# KiCad board rp2040-decoder.kicad_pcb
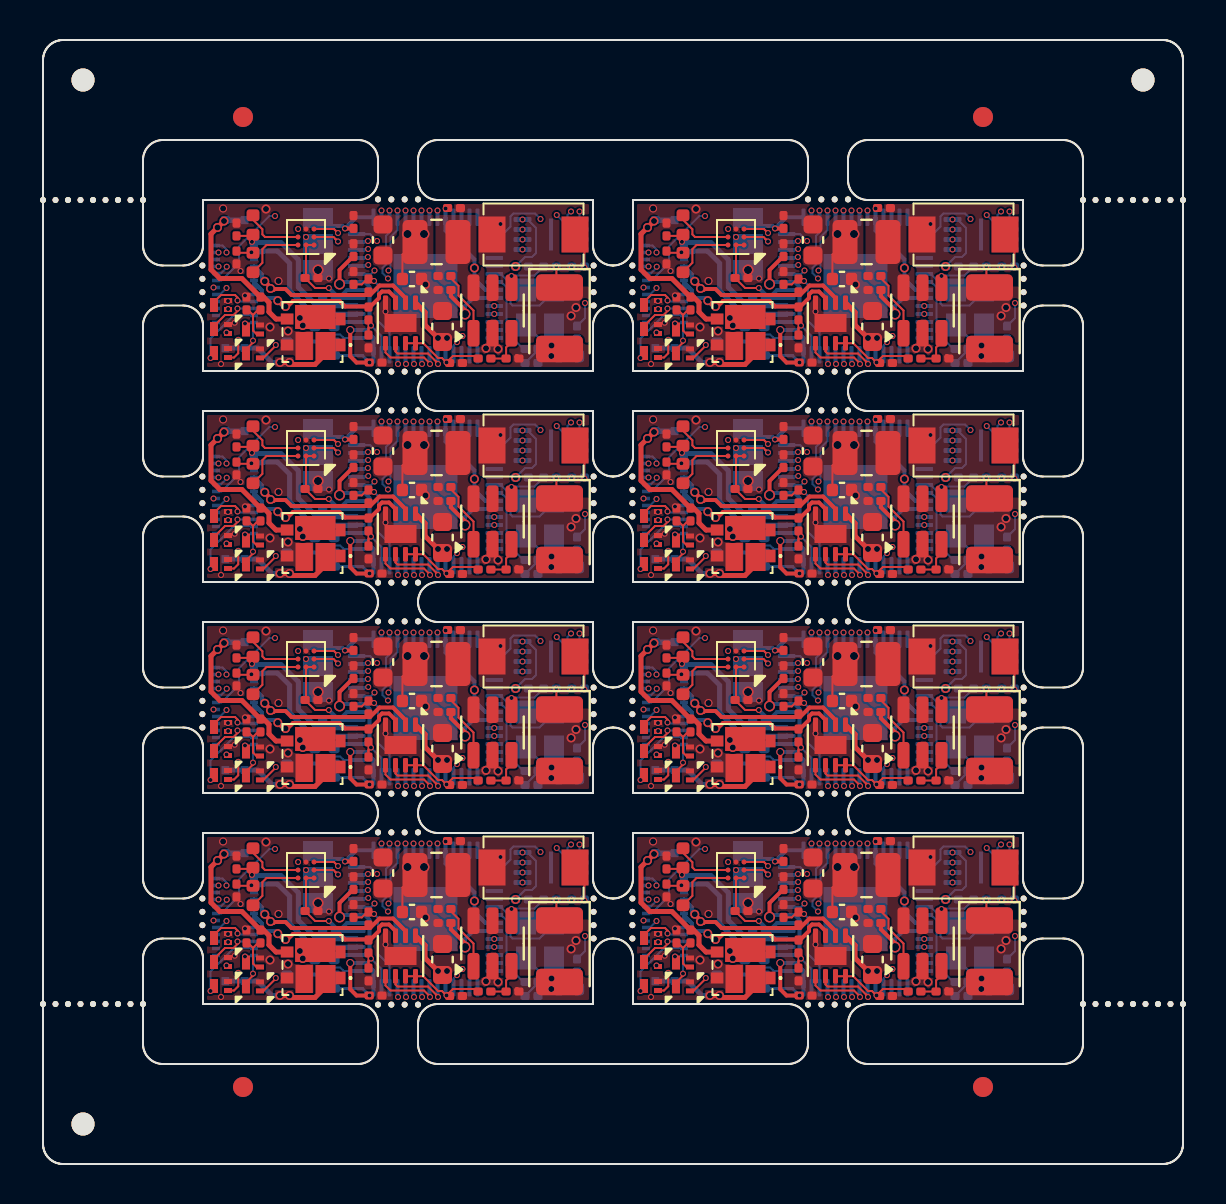
[diagram p0: board, top side]
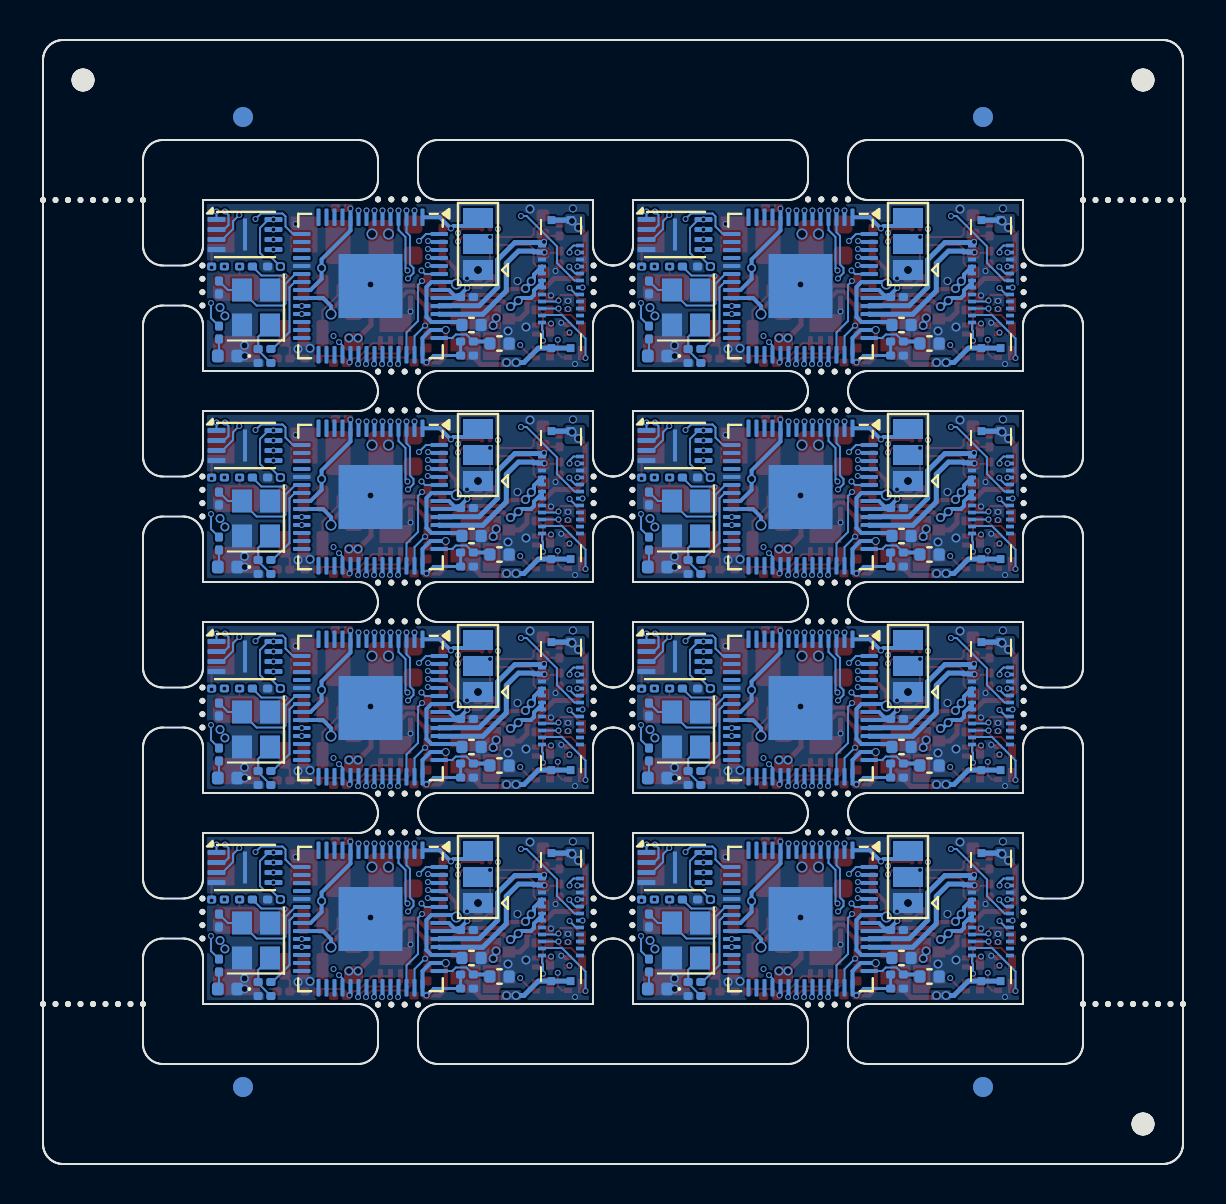
[diagram p1: board, bottom side, seen from below]

Outline 57 x 56.2 mm; copper layers: Top, In1.Cu, In2.Cu, Bottom. Coordinates in mm from the lower left corner of the outline.
Stack: Top 0.035mm / dielectric 0.2104mm JLC FR4 1x7628 er 4.4 / In1.Cu 0.0152mm / dielectric 1.065mm JLC Core er 4.6 / In2.Cu 0.0152mm / dielectric 0.2104mm JLC FR4 1x7628 er 4.4 / Bottom 0.035mm

## Placement (name value [footprint] x y rotation side)
C1  10pF  [C_0201_0603Metric]  26.7 12.17 270 bottom
C1#2  10pF  [C_0201_0603Metric]  48.2 43.83 270 bottom
C1#3  10pF  [C_0201_0603Metric]  48.2 33.28 270 bottom
C1#4  10pF  [C_0201_0603Metric]  26.7 22.73 270 bottom
C1#5  10pF  [C_0201_0603Metric]  48.2 12.17 270 bottom
C1#6  10pF  [C_0201_0603Metric]  48.2 22.73 270 bottom
C1#7  10pF  [C_0201_0603Metric]  26.7 33.28 270 bottom
C1#8  10pF  [C_0201_0603Metric]  26.7 43.83 270 bottom
C2  100nF  [C_0201_0603Metric]  45.45 44.88 0 bottom
C2#2  100nF  [C_0201_0603Metric]  23.95 34.33 0 bottom
C2#3  100nF  [C_0201_0603Metric]  23.95 23.78 0 bottom
C2#4  100nF  [C_0201_0603Metric]  45.45 23.78 0 bottom
C2#5  100nF  [C_0201_0603Metric]  45.45 34.33 0 bottom
C2#6  100nF  [C_0201_0603Metric]  23.95 44.88 0 bottom
C2#7  100nF  [C_0201_0603Metric]  23.95 13.23 0 bottom
C2#8  100nF  [C_0201_0603Metric]  45.45 13.23 0 bottom
C3  10pF  [C_0201_0603Metric]  24.43 40.05 0 bottom
C3#2  10pF  [C_0201_0603Metric]  24.43 29.5 0 bottom
C3#3  10pF  [C_0201_0603Metric]  24.43 8.4 0 bottom
C3#4  10pF  [C_0201_0603Metric]  45.93 8.4 0 bottom
C3#5  10pF  [C_0201_0603Metric]  45.93 40.05 0 bottom
C3#6  10pF  [C_0201_0603Metric]  45.93 29.5 0 bottom
C3#7  10pF  [C_0201_0603Metric]  45.93 18.95 0 bottom
C3#8  10pF  [C_0201_0603Metric]  24.43 18.95 0 bottom
C4  22uF  [CP_EIA-3528-21_Kemet-B]  25.82 31.74 270 top
C4#2  22uF  [CP_EIA-3528-21_Kemet-B]  47.32 21.19 270 top
C4#3  22uF  [CP_EIA-3528-21_Kemet-B]  47.32 10.64 270 top
C4#4  22uF  [CP_EIA-3528-21_Kemet-B]  47.32 31.74 270 top
C4#5  22uF  [CP_EIA-3528-21_Kemet-B]  25.82 42.29 270 top
C4#6  22uF  [CP_EIA-3528-21_Kemet-B]  25.82 21.19 270 top
C4#7  22uF  [CP_EIA-3528-21_Kemet-B]  25.82 10.64 270 top
C4#8  22uF  [CP_EIA-3528-21_Kemet-B]  47.32 42.29 270 top
C5  100nF  [C_0201_0603Metric]  37.03 35.15 90 top
C5#2  100nF  [C_0201_0603Metric]  15.53 24.6 90 top
C5#3  100nF  [C_0201_0603Metric]  15.53 35.15 90 top
C5#4  100nF  [C_0201_0603Metric]  15.53 45.7 90 top
C5#5  100nF  [C_0201_0603Metric]  37.03 14.05 90 top
C5#6  100nF  [C_0201_0603Metric]  37.03 24.6 90 top
C5#7  100nF  [C_0201_0603Metric]  37.03 45.7 90 top
C5#8  100nF  [C_0201_0603Metric]  15.53 14.05 90 top
C6  22nF  [C_0201_0603Metric]  41.57 23.3 180 top
C6#2  22nF  [C_0201_0603Metric]  20.07 12.75 180 top
C6#3  22nF  [C_0201_0603Metric]  41.57 33.85 180 top
C6#4  22nF  [C_0201_0603Metric]  20.07 23.3 180 top
C6#5  22nF  [C_0201_0603Metric]  41.57 44.4 180 top
C6#6  22nF  [C_0201_0603Metric]  41.57 12.75 180 top
C6#7  22nF  [C_0201_0603Metric]  20.07 33.85 180 top
C6#8  22nF  [C_0201_0603Metric]  20.07 44.4 180 top
C7  100nF  [C_0201_0603Metric]  41.57 22.6 180 top
C7#2  100nF  [C_0201_0603Metric]  41.57 12.05 180 top
C7#3  100nF  [C_0201_0603Metric]  41.57 43.7 180 top
C7#4  100nF  [C_0201_0603Metric]  20.07 12.05 180 top
C7#5  100nF  [C_0201_0603Metric]  41.57 33.15 180 top
C7#6  100nF  [C_0201_0603Metric]  20.07 33.15 180 top
C7#7  100nF  [C_0201_0603Metric]  20.07 22.6 180 top
C7#8  100nF  [C_0201_0603Metric]  20.07 43.7 180 top
C8  10uF  [C_0402_1005Metric]  14.07 41.95 180 bottom
C8#2  10uF  [C_0402_1005Metric]  14.07 20.85 180 bottom
C8#3  10uF  [C_0402_1005Metric]  35.57 20.85 180 bottom
C8#4  10uF  [C_0402_1005Metric]  35.57 31.4 180 bottom
C8#5  10uF  [C_0402_1005Metric]  35.57 10.3 180 bottom
C8#6  10uF  [C_0402_1005Metric]  14.07 10.3 180 bottom
C8#7  10uF  [C_0402_1005Metric]  35.57 41.95 180 bottom
C8#8  10uF  [C_0402_1005Metric]  14.07 31.4 180 bottom
C9  22uF  [C_0603_1608Metric]  38.5 14.55 90 top
C9#2  22uF  [C_0603_1608Metric]  38.5 46.2 90 top
C9#3  22uF  [C_0603_1608Metric]  17 35.65 90 top
C9#4  22uF  [C_0603_1608Metric]  17 25.1 90 top
C9#5  22uF  [C_0603_1608Metric]  38.5 25.1 90 top
C9#6  22uF  [C_0603_1608Metric]  17 14.55 90 top
C9#7  22uF  [C_0603_1608Metric]  38.5 35.65 90 top
C9#8  22uF  [C_0603_1608Metric]  17 46.2 90 top
C10  10uF  [C_0402_1005Metric]  18.45 23.15 0 top
C10#2  10uF  [C_0402_1005Metric]  39.95 44.25 0 top
C10#3  10uF  [C_0402_1005Metric]  39.95 23.15 0 top
C10#4  10uF  [C_0402_1005Metric]  18.45 44.25 0 top
C10#5  10uF  [C_0402_1005Metric]  39.95 33.7 0 top
C10#6  10uF  [C_0402_1005Metric]  18.45 33.7 0 top
C10#7  10uF  [C_0402_1005Metric]  18.45 12.6 0 top
C10#8  10uF  [C_0402_1005Metric]  39.95 12.6 0 top
C11  100nF  [C_0201_0603Metric]  35.8 19.33 180 bottom
C11#2  100nF  [C_0201_0603Metric]  35.8 8.78 180 bottom
C11#3  100nF  [C_0201_0603Metric]  14.3 19.33 180 bottom
C11#4  100nF  [C_0201_0603Metric]  14.3 8.78 180 bottom
C11#5  100nF  [C_0201_0603Metric]  35.8 29.88 180 bottom
C11#6  100nF  [C_0201_0603Metric]  14.3 29.88 180 bottom
C11#7  100nF  [C_0201_0603Metric]  35.8 40.43 180 bottom
C11#8  100nF  [C_0201_0603Metric]  14.3 40.43 180 bottom
C12  100nF  [C_0201_0603Metric]  35.8 22.25 180 bottom
C12#2  100nF  [C_0201_0603Metric]  35.8 11.7 180 bottom
C12#3  100nF  [C_0201_0603Metric]  35.8 43.35 180 bottom
C12#4  100nF  [C_0201_0603Metric]  14.3 22.25 180 bottom
C12#5  100nF  [C_0201_0603Metric]  14.3 43.35 180 bottom
C12#6  100nF  [C_0201_0603Metric]  35.8 32.8 180 bottom
C12#7  100nF  [C_0201_0603Metric]  14.3 11.7 180 bottom
C12#8  100nF  [C_0201_0603Metric]  14.3 32.8 180 bottom
C13  100nF  [C_0201_0603Metric]  16.63 18.98 0 top
C13#2  100nF  [C_0201_0603Metric]  38.13 29.53 0 top
C13#3  100nF  [C_0201_0603Metric]  16.63 8.42 0 top
C13#4  100nF  [C_0201_0603Metric]  16.63 29.53 0 top
C13#5  100nF  [C_0201_0603Metric]  38.13 8.42 0 top
C13#6  100nF  [C_0201_0603Metric]  38.13 40.08 0 top
C13#7  100nF  [C_0201_0603Metric]  16.63 40.08 0 top
C13#8  100nF  [C_0201_0603Metric]  38.13 18.98 0 top
C14  10uF  [C_0402_1005Metric]  12.68 30.48 180 bottom
C14#2  10uF  [C_0402_1005Metric]  34.18 41.03 180 bottom
C14#3  10uF  [C_0402_1005Metric]  34.18 30.48 180 bottom
C14#4  10uF  [C_0402_1005Metric]  34.18 19.93 180 bottom
C14#5  10uF  [C_0402_1005Metric]  12.68 41.03 180 bottom
C14#6  10uF  [C_0402_1005Metric]  12.68 9.38 180 bottom
C14#7  10uF  [C_0402_1005Metric]  12.68 19.93 180 bottom
C14#8  10uF  [C_0402_1005Metric]  34.18 9.38 180 bottom
C16  100nF  [C_0201_0603Metric]  42.05 26.7 0 top
C16#2  100nF  [C_0201_0603Metric]  20.55 37.25 0 top
C16#3  100nF  [C_0201_0603Metric]  20.55 26.7 0 top
C16#4  100nF  [C_0201_0603Metric]  20.55 16.15 0 top
C16#5  100nF  [C_0201_0603Metric]  42.05 47.8 0 top
C16#6  100nF  [C_0201_0603Metric]  42.05 16.15 0 top
C16#7  100nF  [C_0201_0603Metric]  20.55 47.8 0 top
C16#8  100nF  [C_0201_0603Metric]  42.05 37.25 0 top
C17  100nF  [C_0201_0603Metric]  37.03 47.1 90 top
C17#2  100nF  [C_0201_0603Metric]  15.53 26 90 top
C17#3  100nF  [C_0201_0603Metric]  15.53 15.45 90 top
C17#4  100nF  [C_0201_0603Metric]  37.03 36.55 90 top
C17#5  100nF  [C_0201_0603Metric]  37.03 26 90 top
C17#6  100nF  [C_0201_0603Metric]  37.03 15.45 90 top
C17#7  100nF  [C_0201_0603Metric]  15.53 36.55 90 top
C17#8  100nF  [C_0201_0603Metric]  15.53 47.1 90 top
C18  10uF  [C_0603_1608Metric]  41.47 10.23 90 top
C18#2  10uF  [C_0603_1608Metric]  19.97 31.33 90 top
C18#3  10uF  [C_0603_1608Metric]  41.47 20.78 90 top
C18#4  10uF  [C_0603_1608Metric]  19.97 41.88 90 top
C18#5  10uF  [C_0603_1608Metric]  19.97 20.78 90 top
C18#6  10uF  [C_0603_1608Metric]  41.47 31.33 90 top
C18#7  10uF  [C_0603_1608Metric]  19.97 10.23 90 top
C18#8  10uF  [C_0603_1608Metric]  41.47 41.88 90 top
C19  100nF  [C_0201_0603Metric]  20.65 18.95 0 top
C19#2  100nF  [C_0201_0603Metric]  20.65 8.4 0 top
C19#3  100nF  [C_0201_0603Metric]  42.15 8.4 0 top
C19#4  100nF  [C_0201_0603Metric]  42.15 29.5 0 top
C19#5  100nF  [C_0201_0603Metric]  20.65 40.05 0 top
C19#6  100nF  [C_0201_0603Metric]  42.15 40.05 0 top
C19#7  100nF  [C_0201_0603Metric]  42.15 18.95 0 top
C19#8  100nF  [C_0201_0603Metric]  20.65 29.5 0 top
C20  220pF  [C_0201_0603Metric]  9.68 36.18 90 top
C20#2  220pF  [C_0201_0603Metric]  9.68 25.62 90 top
C20#3  220pF  [C_0201_0603Metric]  31.18 46.73 90 top
C20#4  220pF  [C_0201_0603Metric]  9.68 15.08 90 top
C20#5  220pF  [C_0201_0603Metric]  9.68 46.73 90 top
C20#6  220pF  [C_0201_0603Metric]  31.18 25.62 90 top
C20#7  220pF  [C_0201_0603Metric]  31.18 36.18 90 top
C20#8  220pF  [C_0201_0603Metric]  31.18 15.08 90 top
C21  100nF  [C_0201_0603Metric]  34.93 33.75 0 top
C21#2  100nF  [C_0201_0603Metric]  13.43 44.3 0 top
C21#3  100nF  [C_0201_0603Metric]  34.93 12.65 0 top
C21#4  100nF  [C_0201_0603Metric]  13.43 12.65 0 top
C21#5  100nF  [C_0201_0603Metric]  13.43 33.75 0 top
C21#6  100nF  [C_0201_0603Metric]  34.93 44.3 0 top
C21#7  100nF  [C_0201_0603Metric]  13.43 23.2 0 top
C21#8  100nF  [C_0201_0603Metric]  34.93 23.2 0 top
C22  220pF  [C_0201_0603Metric]  9.68 45.33 270 top
C22#2  220pF  [C_0201_0603Metric]  31.18 13.68 270 top
C22#3  220pF  [C_0201_0603Metric]  9.68 34.78 270 top
C22#4  220pF  [C_0201_0603Metric]  9.68 13.68 270 top
C22#5  220pF  [C_0201_0603Metric]  31.18 45.33 270 top
C22#6  220pF  [C_0201_0603Metric]  31.18 24.23 270 top
C22#7  220pF  [C_0201_0603Metric]  9.68 24.23 270 top
C22#8  220pF  [C_0201_0603Metric]  31.18 34.78 270 top
D1  -  [NSR1030QMU]  13.47 20.5 90 top
D1#2  -  [NSR1030QMU]  13.47 9.95 90 top
D1#3  -  [NSR1030QMU]  34.97 41.6 90 top
D1#4  -  [NSR1030QMU]  34.97 31.05 90 top
D1#5  -  [NSR1030QMU]  13.47 31.05 90 top
D1#6  -  [NSR1030QMU]  34.97 9.95 90 top
D1#7  -  [NSR1030QMU]  13.47 41.6 90 top
D1#8  -  [NSR1030QMU]  34.97 20.5 90 top
D2  Blue LED  [LED_0402_1005Metric]  26.28 29.85 0 bottom
D2#2  Blue LED  [LED_0402_1005Metric]  47.78 40.4 0 bottom
D2#3  Blue LED  [LED_0402_1005Metric]  26.28 19.3 0 bottom
D2#4  Blue LED  [LED_0402_1005Metric]  47.78 19.3 0 bottom
D2#5  Blue LED  [LED_0402_1005Metric]  26.28 40.4 0 bottom
D2#6  Blue LED  [LED_0402_1005Metric]  47.78 29.85 0 bottom
D2#7  Blue LED  [LED_0402_1005Metric]  47.78 8.75 0 bottom
D2#8  Blue LED  [LED_0402_1005Metric]  26.28 8.75 0 bottom
FB1  FB_P  [L_0402_1005Metric]  32 34.53 270 top
FB1#2  FB_P  [L_0402_1005Metric]  10.5 45.08 270 top
FB1#3  FB_P  [L_0402_1005Metric]  10.5 34.53 270 top
FB1#4  FB_P  [L_0402_1005Metric]  32 45.08 270 top
FB1#5  FB_P  [L_0402_1005Metric]  32 23.98 270 top
FB1#6  FB_P  [L_0402_1005Metric]  10.5 23.98 270 top
FB1#7  FB_P  [L_0402_1005Metric]  32 13.43 270 top
FB1#8  FB_P  [L_0402_1005Metric]  10.5 13.43 270 top
FB2  FB_N  [L_0402_1005Metric]  32 25.85 90 top
FB2#2  FB_N  [L_0402_1005Metric]  10.5 25.85 90 top
FB2#3  FB_N  [L_0402_1005Metric]  32 36.4 90 top
FB2#4  FB_N  [L_0402_1005Metric]  32 46.95 90 top
FB2#5  FB_N  [L_0402_1005Metric]  32 15.3 90 top
FB2#6  FB_N  [L_0402_1005Metric]  10.5 36.4 90 top
FB2#7  FB_N  [L_0402_1005Metric]  10.5 15.3 90 top
FB2#8  FB_N  [L_0402_1005Metric]  10.5 46.95 90 top
J4  -  [5050662422]  9.6 22.9 270 bottom
J4#2  -  [5050662422]  31.1 22.9 270 bottom
J4#3  -  [5050662422]  31.1 33.45 270 bottom
J4#4  -  [5050662422]  31.1 12.35 270 bottom
J4#5  -  [5050662422]  31.1 44 270 bottom
J4#6  -  [5050662422]  9.6 44 270 bottom
J4#7  -  [5050662422]  9.6 33.45 270 bottom
J4#8  -  [5050662422]  9.6 12.35 270 bottom
JP1  GAIN  [SolderJumper-3_P1.3mm_Open_Pad1.0x1.5mm]  35.25 46 90 bottom
JP1#2  GAIN  [SolderJumper-3_P1.3mm_Open_Pad1.0x1.5mm]  13.75 24.9 90 bottom
JP1#3  GAIN  [SolderJumper-3_P1.3mm_Open_Pad1.0x1.5mm]  35.25 35.45 90 bottom
JP1#4  GAIN  [SolderJumper-3_P1.3mm_Open_Pad1.0x1.5mm]  13.75 35.45 90 bottom
JP1#5  GAIN  [SolderJumper-3_P1.3mm_Open_Pad1.0x1.5mm]  35.25 24.9 90 bottom
JP1#6  GAIN  [SolderJumper-3_P1.3mm_Open_Pad1.0x1.5mm]  13.75 14.35 90 bottom
JP1#7  GAIN  [SolderJumper-3_P1.3mm_Open_Pad1.0x1.5mm]  13.75 46 90 bottom
JP1#8  GAIN  [SolderJumper-3_P1.3mm_Open_Pad1.0x1.5mm]  35.25 14.35 90 bottom
KiKit_FID_B_1  -  [Fiducial]  10 52.35 0 bottom
KiKit_FID_B_2  -  [Fiducial]  47 52.35 0 bottom
KiKit_FID_B_3  -  [Fiducial]  10 3.85 0 bottom
KiKit_FID_B_4  -  [Fiducial]  47 3.85 0 bottom
KiKit_FID_T_1  -  [Fiducial]  10 52.35 0 top
KiKit_FID_T_2  -  [Fiducial]  47 52.35 0 top
KiKit_FID_T_3  -  [Fiducial]  10 3.85 0 top
KiKit_FID_T_4  -  [Fiducial]  47 3.85 0 top
KiKit_MB_1_1  -  [NPTH]  7.97 42.93 0 top
KiKit_MB_1_2  -  [NPTH]  7.97 43.59 0 top
KiKit_MB_1_3  -  [NPTH]  7.97 44.26 0 top
KiKit_MB_1_4  -  [NPTH]  7.97 44.93 0 top
KiKit_MB_2_1  -  [NPTH]  27.53 44.93 0 top
KiKit_MB_2_2  -  [NPTH]  27.53 44.26 0 top
KiKit_MB_2_3  -  [NPTH]  27.53 43.59 0 top
KiKit_MB_2_4  -  [NPTH]  27.53 42.93 0 top
KiKit_MB_3_1  -  [NPTH]  16.75 48.23 0 top
KiKit_MB_3_2  -  [NPTH]  17.42 48.23 0 top
KiKit_MB_3_3  -  [NPTH]  18.08 48.23 0 top
KiKit_MB_3_4  -  [NPTH]  18.75 48.23 0 top
KiKit_MB_4_1  -  [NPTH]  18.75 39.62 0 top
KiKit_MB_4_2  -  [NPTH]  18.08 39.62 0 top
KiKit_MB_4_3  -  [NPTH]  17.42 39.62 0 top
KiKit_MB_4_4  -  [NPTH]  16.75 39.62 0 top
KiKit_MB_5_1  -  [NPTH]  29.47 42.93 0 top
KiKit_MB_5_2  -  [NPTH]  29.47 43.59 0 top
KiKit_MB_5_3  -  [NPTH]  29.47 44.26 0 top
KiKit_MB_5_4  -  [NPTH]  29.47 44.93 0 top
KiKit_MB_6_1  -  [NPTH]  49.03 44.93 0 top
KiKit_MB_6_2  -  [NPTH]  49.03 44.26 0 top
KiKit_MB_6_3  -  [NPTH]  49.03 43.59 0 top
KiKit_MB_6_4  -  [NPTH]  49.03 42.93 0 top
KiKit_MB_7_1  -  [NPTH]  38.25 48.23 0 top
KiKit_MB_7_2  -  [NPTH]  38.92 48.23 0 top
KiKit_MB_7_3  -  [NPTH]  39.58 48.23 0 top
KiKit_MB_7_4  -  [NPTH]  40.25 48.23 0 top
KiKit_MB_8_1  -  [NPTH]  40.25 39.62 0 top
KiKit_MB_8_2  -  [NPTH]  39.58 39.62 0 top
KiKit_MB_8_3  -  [NPTH]  38.92 39.62 0 top
KiKit_MB_8_4  -  [NPTH]  38.25 39.62 0 top
KiKit_MB_9_1  -  [NPTH]  7.97 32.38 0 top
KiKit_MB_9_2  -  [NPTH]  7.97 33.04 0 top
KiKit_MB_9_3  -  [NPTH]  7.97 33.71 0 top
KiKit_MB_9_4  -  [NPTH]  7.97 34.38 0 top
KiKit_MB_10_1  -  [NPTH]  27.53 34.38 0 top
KiKit_MB_10_2  -  [NPTH]  27.53 33.71 0 top
KiKit_MB_10_3  -  [NPTH]  27.53 33.04 0 top
KiKit_MB_10_4  -  [NPTH]  27.53 32.38 0 top
KiKit_MB_11_1  -  [NPTH]  16.75 37.68 0 top
KiKit_MB_11_2  -  [NPTH]  17.42 37.68 0 top
KiKit_MB_11_3  -  [NPTH]  18.08 37.68 0 top
KiKit_MB_11_4  -  [NPTH]  18.75 37.68 0 top
KiKit_MB_12_1  -  [NPTH]  18.75 29.07 0 top
KiKit_MB_12_2  -  [NPTH]  18.08 29.07 0 top
KiKit_MB_12_3  -  [NPTH]  17.42 29.07 0 top
KiKit_MB_12_4  -  [NPTH]  16.75 29.07 0 top
KiKit_MB_13_1  -  [NPTH]  29.47 32.38 0 top
KiKit_MB_13_2  -  [NPTH]  29.47 33.04 0 top
KiKit_MB_13_3  -  [NPTH]  29.47 33.71 0 top
KiKit_MB_13_4  -  [NPTH]  29.47 34.38 0 top
KiKit_MB_14_1  -  [NPTH]  49.03 34.38 0 top
KiKit_MB_14_2  -  [NPTH]  49.03 33.71 0 top
KiKit_MB_14_3  -  [NPTH]  49.03 33.04 0 top
KiKit_MB_14_4  -  [NPTH]  49.03 32.38 0 top
KiKit_MB_15_1  -  [NPTH]  38.25 37.68 0 top
KiKit_MB_15_2  -  [NPTH]  38.92 37.68 0 top
KiKit_MB_15_3  -  [NPTH]  39.58 37.68 0 top
KiKit_MB_15_4  -  [NPTH]  40.25 37.68 0 top
KiKit_MB_16_1  -  [NPTH]  40.25 29.07 0 top
KiKit_MB_16_2  -  [NPTH]  39.58 29.07 0 top
KiKit_MB_16_3  -  [NPTH]  38.92 29.07 0 top
KiKit_MB_16_4  -  [NPTH]  38.25 29.07 0 top
KiKit_MB_17_1  -  [NPTH]  7.97 21.83 0 top
KiKit_MB_17_2  -  [NPTH]  7.97 22.49 0 top
KiKit_MB_17_3  -  [NPTH]  7.97 23.16 0 top
KiKit_MB_17_4  -  [NPTH]  7.97 23.83 0 top
KiKit_MB_18_1  -  [NPTH]  27.53 23.83 0 top
KiKit_MB_18_2  -  [NPTH]  27.53 23.16 0 top
KiKit_MB_18_3  -  [NPTH]  27.53 22.49 0 top
KiKit_MB_18_4  -  [NPTH]  27.53 21.83 0 top
KiKit_MB_19_1  -  [NPTH]  16.75 27.13 0 top
KiKit_MB_19_2  -  [NPTH]  17.42 27.13 0 top
KiKit_MB_19_3  -  [NPTH]  18.08 27.13 0 top
KiKit_MB_19_4  -  [NPTH]  18.75 27.13 0 top
KiKit_MB_20_1  -  [NPTH]  18.75 18.52 0 top
KiKit_MB_20_2  -  [NPTH]  18.08 18.52 0 top
KiKit_MB_20_3  -  [NPTH]  17.42 18.52 0 top
KiKit_MB_20_4  -  [NPTH]  16.75 18.52 0 top
KiKit_MB_21_1  -  [NPTH]  29.47 21.83 0 top
KiKit_MB_21_2  -  [NPTH]  29.47 22.49 0 top
KiKit_MB_21_3  -  [NPTH]  29.47 23.16 0 top
KiKit_MB_21_4  -  [NPTH]  29.47 23.83 0 top
KiKit_MB_22_1  -  [NPTH]  49.03 23.83 0 top
KiKit_MB_22_2  -  [NPTH]  49.03 23.16 0 top
KiKit_MB_22_3  -  [NPTH]  49.03 22.49 0 top
KiKit_MB_22_4  -  [NPTH]  49.03 21.83 0 top
KiKit_MB_23_1  -  [NPTH]  38.25 27.13 0 top
KiKit_MB_23_2  -  [NPTH]  38.92 27.13 0 top
KiKit_MB_23_3  -  [NPTH]  39.58 27.13 0 top
KiKit_MB_23_4  -  [NPTH]  40.25 27.13 0 top
KiKit_MB_24_1  -  [NPTH]  40.25 18.52 0 top
KiKit_MB_24_2  -  [NPTH]  39.58 18.52 0 top
KiKit_MB_24_3  -  [NPTH]  38.92 18.52 0 top
KiKit_MB_24_4  -  [NPTH]  38.25 18.52 0 top
KiKit_MB_25_1  -  [NPTH]  7.97 11.28 0 top
KiKit_MB_25_2  -  [NPTH]  7.97 11.94 0 top
KiKit_MB_25_3  -  [NPTH]  7.97 12.61 0 top
KiKit_MB_25_4  -  [NPTH]  7.97 13.28 0 top
KiKit_MB_26_1  -  [NPTH]  27.53 13.28 0 top
KiKit_MB_26_2  -  [NPTH]  27.53 12.61 0 top
KiKit_MB_26_3  -  [NPTH]  27.53 11.94 0 top
KiKit_MB_26_4  -  [NPTH]  27.53 11.28 0 top
KiKit_MB_27_1  -  [NPTH]  16.75 16.58 0 top
KiKit_MB_27_2  -  [NPTH]  17.42 16.58 0 top
KiKit_MB_27_3  -  [NPTH]  18.08 16.58 0 top
KiKit_MB_27_4  -  [NPTH]  18.75 16.58 0 top
KiKit_MB_28_1  -  [NPTH]  18.75 7.97 0 top
KiKit_MB_28_2  -  [NPTH]  18.08 7.97 0 top
KiKit_MB_28_3  -  [NPTH]  17.42 7.97 0 top
KiKit_MB_28_4  -  [NPTH]  16.75 7.97 0 top
KiKit_MB_29_1  -  [NPTH]  29.47 11.28 0 top
KiKit_MB_29_2  -  [NPTH]  29.47 11.94 0 top
KiKit_MB_29_3  -  [NPTH]  29.47 12.61 0 top
KiKit_MB_29_4  -  [NPTH]  29.47 13.28 0 top
KiKit_MB_30_1  -  [NPTH]  49.03 13.28 0 top
KiKit_MB_30_2  -  [NPTH]  49.03 12.61 0 top
KiKit_MB_30_3  -  [NPTH]  49.03 11.94 0 top
KiKit_MB_30_4  -  [NPTH]  49.03 11.28 0 top
KiKit_MB_31_1  -  [NPTH]  38.25 16.58 0 top
KiKit_MB_31_2  -  [NPTH]  38.92 16.58 0 top
KiKit_MB_31_3  -  [NPTH]  39.58 16.58 0 top
KiKit_MB_31_4  -  [NPTH]  40.25 16.58 0 top
KiKit_MB_32_1  -  [NPTH]  40.25 7.97 0 top
KiKit_MB_32_2  -  [NPTH]  39.58 7.97 0 top
KiKit_MB_32_3  -  [NPTH]  38.92 7.97 0 top
KiKit_MB_32_4  -  [NPTH]  38.25 7.97 0 top
KiKit_MB_33_1  -  [NPTH]  0 48.2 0 top
KiKit_MB_33_2  -  [NPTH]  0.62 48.2 0 top
KiKit_MB_33_3  -  [NPTH]  1.25 48.2 0 top
KiKit_MB_33_4  -  [NPTH]  1.88 48.2 0 top
KiKit_MB_33_5  -  [NPTH]  2.5 48.2 0 top
KiKit_MB_33_6  -  [NPTH]  3.12 48.2 0 top
KiKit_MB_33_7  -  [NPTH]  3.75 48.2 0 top
KiKit_MB_33_8  -  [NPTH]  4.38 48.2 0 top
KiKit_MB_33_9  -  [NPTH]  5 48.2 0 top
KiKit_MB_34_1  -  [NPTH]  0 8 0 top
KiKit_MB_34_2  -  [NPTH]  0.62 8 0 top
KiKit_MB_34_3  -  [NPTH]  1.25 8 0 top
KiKit_MB_34_4  -  [NPTH]  1.88 8 0 top
KiKit_MB_34_5  -  [NPTH]  2.5 8 0 top
KiKit_MB_34_6  -  [NPTH]  3.12 8 0 top
KiKit_MB_34_7  -  [NPTH]  3.75 8 0 top
KiKit_MB_34_8  -  [NPTH]  4.38 8 0 top
KiKit_MB_34_9  -  [NPTH]  5 8 0 top
KiKit_MB_35_1  -  [NPTH]  52 48.2 0 top
KiKit_MB_35_2  -  [NPTH]  52.62 48.2 0 top
KiKit_MB_35_3  -  [NPTH]  53.25 48.2 0 top
KiKit_MB_35_4  -  [NPTH]  53.88 48.2 0 top
KiKit_MB_35_5  -  [NPTH]  54.5 48.2 0 top
KiKit_MB_35_6  -  [NPTH]  55.12 48.2 0 top
KiKit_MB_35_7  -  [NPTH]  55.75 48.2 0 top
KiKit_MB_35_8  -  [NPTH]  56.38 48.2 0 top
KiKit_MB_35_9  -  [NPTH]  57 48.2 0 top
KiKit_MB_36_1  -  [NPTH]  52 8 0 top
KiKit_MB_36_2  -  [NPTH]  52.62 8 0 top
KiKit_MB_36_3  -  [NPTH]  53.25 8 0 top
KiKit_MB_36_4  -  [NPTH]  53.88 8 0 top
KiKit_MB_36_5  -  [NPTH]  54.5 8 0 top
KiKit_MB_36_6  -  [NPTH]  55.12 8 0 top
KiKit_MB_36_7  -  [NPTH]  55.75 8 0 top
KiKit_MB_36_8  -  [NPTH]  56.38 8 0 top
KiKit_MB_36_9  -  [NPTH]  57 8 0 top
KiKit_TO_1  -  [NPTH#2]  2 54.2 0 top
KiKit_TO_2  -  [NPTH#2]  55 54.2 0 top
KiKit_TO_3  -  [NPTH#2]  2 2 0 top
L1  10uH  [L_1008_2520Metric]  19.68 35.55 180 top
L1#2  10uH  [L_1008_2520Metric]  41.18 46.1 180 top
L1#3  10uH  [L_1008_2520Metric]  41.18 25 180 top
L1#4  10uH  [L_1008_2520Metric]  41.18 35.55 180 top
L1#5  10uH  [L_1008_2520Metric]  41.18 14.45 180 top
L1#6  10uH  [L_1008_2520Metric]  19.68 14.45 180 top
L1#7  10uH  [L_1008_2520Metric]  19.68 46.1 180 top
L1#8  10uH  [L_1008_2520Metric]  19.68 25 180 top
Q1  TPM2008  [Diodes_DFN1006-3]  32 41.73 180 top
Q1#2  TPM2008  [Diodes_DFN1006-3]  32 10.08 180 top
Q1#3  TPM2008  [Diodes_DFN1006-3]  32 31.18 180 top
Q1#4  TPM2008  [Diodes_DFN1006-3]  10.5 10.08 180 top
Q1#5  TPM2008  [Diodes_DFN1006-3]  10.5 41.73 180 top
Q1#6  TPM2008  [Diodes_DFN1006-3]  32 20.62 180 top
Q1#7  TPM2008  [Diodes_DFN1006-3]  10.5 20.62 180 top
Q1#8  TPM2008  [Diodes_DFN1006-3]  10.5 31.18 180 top
Q2  TPM2008  [Diodes_DFN1006-3]  8.9 19.45 180 top
Q2#2  TPM2008  [Diodes_DFN1006-3]  30.4 40.55 180 top
Q2#3  TPM2008  [Diodes_DFN1006-3]  30.4 19.45 180 top
Q2#4  TPM2008  [Diodes_DFN1006-3]  30.4 30 180 top
Q2#5  TPM2008  [Diodes_DFN1006-3]  8.9 40.55 180 top
Q2#6  TPM2008  [Diodes_DFN1006-3]  30.4 8.9 180 top
Q2#7  TPM2008  [Diodes_DFN1006-3]  8.9 30 180 top
Q2#8  TPM2008  [Diodes_DFN1006-3]  8.9 8.9 180 top
Q3  TPM2008  [Diodes_DFN1006-3]  30.4 42.95 180 top
Q3#2  TPM2008  [Diodes_DFN1006-3]  30.4 21.85 180 top
Q3#3  TPM2008  [Diodes_DFN1006-3]  8.9 21.85 180 top
Q3#4  TPM2008  [Diodes_DFN1006-3]  30.4 11.3 180 top
Q3#5  TPM2008  [Diodes_DFN1006-3]  8.9 42.95 180 top
Q3#6  TPM2008  [Diodes_DFN1006-3]  30.4 32.4 180 top
Q3#7  TPM2008  [Diodes_DFN1006-3]  8.9 11.3 180 top
Q3#8  TPM2008  [Diodes_DFN1006-3]  8.9 32.4 180 top
Q5  TPM2008  [Diodes_DFN1006-3]  32 19.43 180 top
Q5#2  TPM2008  [Diodes_DFN1006-3]  10.5 8.88 180 top
Q5#3  TPM2008  [Diodes_DFN1006-3]  10.5 19.43 180 top
Q5#4  TPM2008  [Diodes_DFN1006-3]  10.5 40.53 180 top
Q5#5  TPM2008  [Diodes_DFN1006-3]  10.5 29.98 180 top
Q5#6  TPM2008  [Diodes_DFN1006-3]  32 29.98 180 top
Q5#7  TPM2008  [Diodes_DFN1006-3]  32 40.53 180 top
Q5#8  TPM2008  [Diodes_DFN1006-3]  32 8.88 180 top
Q6  TPM2008  [Diodes_DFN1006-3]  30.4 10.1 180 top
Q6#2  TPM2008  [Diodes_DFN1006-3]  30.4 20.65 180 top
Q6#3  TPM2008  [Diodes_DFN1006-3]  30.4 41.75 180 top
Q6#4  TPM2008  [Diodes_DFN1006-3]  8.9 10.1 180 top
Q6#5  TPM2008  [Diodes_DFN1006-3]  8.9 41.75 180 top
Q6#6  TPM2008  [Diodes_DFN1006-3]  30.4 31.2 180 top
Q6#7  TPM2008  [Diodes_DFN1006-3]  8.9 20.65 180 top
Q6#8  TPM2008  [Diodes_DFN1006-3]  8.9 31.2 180 top
R1  6.8k  [R_0201_0603Metric]  32.38 43.03 90 top
R1#2  6.8k  [R_0201_0603Metric]  32.38 32.48 90 top
R1#3  6.8k  [R_0201_0603Metric]  32.38 21.93 90 top
R1#4  6.8k  [R_0201_0603Metric]  10.88 21.93 90 top
R1#5  6.8k  [R_0201_0603Metric]  10.88 43.03 90 top
R1#6  6.8k  [R_0201_0603Metric]  10.88 11.38 90 top